# KiCad board untitled.kicad_pcb (continued)
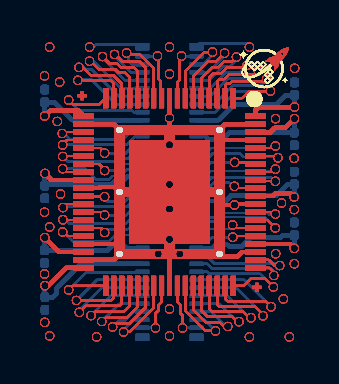
[diagram p0: board, top side]
## Routing (per net, layer and track width the routed paths; a pad name or vN(x,y) marks a point on that pad's centre or on a via; arc(x,y) is an arc through that point) (continued)
/PIN 18: length 138.7
  Top w0.1: v1(3.01,5.34) 2,5.34 ; v1(3.01,5.34) 2,5.34 ; v1(3.01,5.34) 2,5.34 ; v1(3.01,5.34) 2,5.34 ; v1(3.01,5.34) 2,5.34 ; v1(3.01,5.34) 2,5.34 ; v1(3.01,5.34) 2,5.34 ; v1(3.01,5.34) 2,5.34 ; v1(3.01,5.34) 2,5.34 ; v1(3.01,5.34) 2,5.34 ; v1(3.01,5.34) 2,5.34 ; v1(3.01,5.34) 2,5.34 ; v1(3.01,5.34) 2,5.34 ; v1(3.01,5.34) 2,5.34 ; v1(3.01,5.34) 2,5.34 ; v1(3.01,5.34) 2,5.34 ; v1(3.01,5.34) 2,5.34 ; v1(3.01,5.34) 2,5.34 ; v1(3.01,5.34) 2,5.34 ; v1(3.01,5.34) 2,5.34 ; v1(3.01,5.34) 2,5.34 ; v1(3.01,5.34) 2,5.34 ; v1(3.01,5.34) 2,5.34 ; v1(3.01,5.34) 2,5.34 ; v1(3.01,5.34) 2,5.34 ; v1(3.01,5.34) 2,5.34 ; v1(3.01,5.34) 2,5.34 ; v1(3.01,5.34) 2,5.34 ; v1(3.01,5.34) 2,5.34 ; v1(3.01,5.34) 2,5.34 ; v1(3.01,5.34) 2,5.34 ; v1(3.01,5.34) 2,5.34 ; v1(3.01,5.34) 2,5.34 ; v1(3.01,5.34) 2,5.34 ; v1(3.01,5.34) 2,5.34 ; v1(3.01,5.34) 2,5.34 ; v1(3.01,5.34) 2,5.34 ; v1(3.01,5.34) 2,5.34 ; v1(3.01,5.34) 2,5.34 ; v1(3.01,5.34) 2,5.34 ; v1(3.01,5.34) 2,5.34 ; v1(3.01,5.34) 2,5.34 ; 2,5.34 J158.28 ; 2,5.34 J158.28 ; 2,5.34 J158.28 ; 2,5.34 J158.28 ; 2,5.34 J158.28 ; 2,5.34 J158.28 ; 2,5.34 J158.28 ; 2,5.34 J158.28 ; 2,5.34 J158.28 ; 2,5.34 J158.28 ; 2,5.34 J158.28 ; 2,5.34 J158.28 ; 2,5.34 J158.28 ; 2,5.34 J158.28 ; 2,5.34 J158.28 ; 2,5.34 J158.28 ; 2,5.34 J158.28 ; 2,5.34 J158.28 ; 2,5.34 J158.28 ; 2,5.34 J158.28 ; 2,5.34 J158.28 ; 2,5.34 J158.28 ; 2,5.34 J158.28 ; 2,5.34 J158.28 ; 2,5.34 J158.28 ; 2,5.34 J158.28 ; 2,5.34 J158.28 ; 2,5.34 J158.28 ; 2,5.34 J158.28 ; 2,5.34 J158.28 ; 2,5.34 J158.28 ; 2,5.34 J158.28 ; 2,5.34 J158.28 ; 2,5.34 J158.28 ; 2,5.34 J158.28 ; 2,5.34 J158.28 ; 2,5.34 J158.28 ; 2,5.34 J158.28 ; 2,5.34 J158.28 ; 2,5.34 J158.28 ; 2,5.34 J158.28 ; 2,5.34 J158.28
  Bottom w0.1: 4.05,5.12 4.51,5.58 ; 4.05,5.12 3.14,5.12 ; 4.05,5.12 4.51,5.58 ; 4.05,5.12 4.51,5.58 ; 4.05,5.12 4.51,5.58 ; 4.05,5.12 3.14,5.12 ; 4.05,5.12 4.51,5.58 ; 4.05,5.12 4.51,5.58 ; 4.05,5.12 4.51,5.58 ; 4.05,5.12 3.14,5.12 ; 4.05,5.12 3.14,5.12 ; 4.05,5.12 3.14,5.12 ; 4.05,5.12 4.51,5.58 ; 4.05,5.12 4.51,5.58 ; 4.05,5.12 4.51,5.58 ; 4.05,5.12 3.14,5.12 ; 4.05,5.12 3.14,5.12 ; 4.05,5.12 4.51,5.58 ; 4.05,5.12 4.51,5.58 ; 4.05,5.12 3.14,5.12 ; 4.05,5.12 3.14,5.12 ; 4.05,5.12 3.14,5.12 ; 4.05,5.12 3.14,5.12 ; 4.05,5.12 4.51,5.58 ; 4.05,5.12 4.51,5.58 ; 4.05,5.12 3.14,5.12 ; 4.05,5.12 3.14,5.12 ; 4.05,5.12 3.14,5.12 ; 4.05,5.12 3.14,5.12 ; 4.05,5.12 4.51,5.58 ; 4.05,5.12 4.51,5.58 ; 4.05,5.12 3.14,5.12 ; 4.05,5.12 4.51,5.58 ; 4.05,5.12 4.51,5.58 ; 4.05,5.12 4.51,5.58 ; 4.05,5.12 3.14,5.12 ; 4.05,5.12 3.14,5.12 ; 4.05,5.12 3.14,5.12 ; 4.05,5.12 4.51,5.58 ; 4.05,5.12 3.14,5.12 ; 4.05,5.12 3.14,5.12 ; 4.05,5.12 3.14,5.12 ; 4.05,5.12 4.51,5.58 ; 4.05,5.12 4.51,5.58 ; 4.05,5.12 4.51,5.58 ; 4.05,5.12 4.51,5.58 ; 4.05,5.12 4.51,5.58 ; 4.05,5.12 4.51,5.58 ; 4.05,5.12 3.14,5.12 ; 4.05,5.12 4.51,5.58 ; 4.05,5.12 3.14,5.12 ; 4.05,5.12 4.51,5.58 ; 4.05,5.12 4.51,5.58 ; 4.05,5.12 4.51,5.58 ; 4.05,5.12 4.51,5.58 ; 4.05,5.12 4.51,5.58 ; 4.05,5.12 3.14,5.12 ; 4.05,5.12 3.14,5.12 ; 4.05,5.12 3.14,5.12 ; 4.05,5.12 4.51,5.58 ; 4.05,5.12 3.14,5.12 ; 4.05,5.12 4.51,5.58 ; 4.05,5.12 4.51,5.58 ; 4.05,5.12 4.51,5.58 ; 4.05,5.12 3.14,5.12 ; 4.05,5.12 4.51,5.58 ; 4.05,5.12 3.14,5.12 ; 4.05,5.12 3.14,5.12 ; 4.05,5.12 3.14,5.12 ; 4.05,5.12 3.14,5.12 ; 4.05,5.12 4.51,5.58 ; 4.05,5.12 3.14,5.12 ; 4.05,5.12 4.51,5.58 ; 4.05,5.12 3.14,5.12 ; 4.05,5.12 4.51,5.58 ; 4.05,5.12 3.14,5.12 ; 4.05,5.12 3.14,5.12 ; 4.05,5.12 4.51,5.58 ; 4.05,5.12 4.51,5.58 ; 4.05,5.12 3.14,5.12 ; 4.05,5.12 3.14,5.12 ; 4.05,5.12 3.14,5.12 ; 4.05,5.12 3.14,5.12 ; 4.05,5.12 3.14,5.12 ; 4.51,5.58 J173.53 ; 4.51,5.58 J173.53 ; 4.51,5.58 J173.53 ; 4.51,5.58 J173.53 ; 4.51,5.58 J173.53 ; 4.51,5.58 J173.53 ; 4.51,5.58 J173.53 ; 4.51,5.58 J173.53 ; 4.51,5.58 J173.53 ; 4.51,5.58 J173.53 ; 4.51,5.58 J173.53 ; 4.51,5.58 J173.53 ; 4.51,5.58 J173.53 ; 4.51,5.58 J173.53 ; 4.51,5.58 J173.53 ; 4.51,5.58 J173.53 ; 4.51,5.58 J173.53 ; 4.51,5.58 J173.53 ; 4.51,5.58 J173.53 ; 4.51,5.58 J173.53 ; 4.51,5.58 J173.53 ; 4.51,5.58 J173.53 ; 4.51,5.58 J173.53 ; 4.51,5.58 J173.53 ; 4.51,5.58 J173.53 ; 4.51,5.58 J173.53 ; 4.51,5.58 J173.53 ; 4.51,5.58 J173.53 ; 4.51,5.58 J173.53 ; 4.51,5.58 J173.53 ; 4.51,5.58 J173.53 ; 4.51,5.58 J173.53 ; 4.51,5.58 J173.53 ; 4.51,5.58 J173.53 ; 4.51,5.58 J173.53 ; 4.51,5.58 J173.53 ; 4.51,5.58 J173.53 ; 4.51,5.58 J173.53 ; 4.51,5.58 J173.53 ; 4.51,5.58 J173.53 ; 4.51,5.58 J173.53 ; 4.51,5.58 J173.53 ; v1(3.01,5.34) 3.01,5.25 ; v1(3.01,5.34) 3.01,5.25 ; v1(3.01,5.34) 3.01,5.25 ; v1(3.01,5.34) 3.01,5.25 ; v1(3.01,5.34) 3.01,5.25 ; v1(3.01,5.34) 3.01,5.25 ; v1(3.01,5.34) 3.01,5.25 ; v1(3.01,5.34) 3.01,5.25 ; v1(3.01,5.34) 3.01,5.25 ; v1(3.01,5.34) 3.01,5.25 ; v1(3.01,5.34) 3.01,5.25 ; v1(3.01,5.34) 3.01,5.25 ; v1(3.01,5.34) 3.01,5.25 ; v1(3.01,5.34) 3.01,5.25 ; v1(3.01,5.34) 3.01,5.25 ; v1(3.01,5.34) 3.01,5.25 ; v1(3.01,5.34) 3.01,5.25 ; v1(3.01,5.34) 3.01,5.25 ; v1(3.01,5.34) 3.01,5.25 ; v1(3.01,5.34) 3.01,5.25 ; v1(3.01,5.34) 3.01,5.25 ; v1(3.01,5.34) 3.01,5.25 ; v1(3.01,5.34) 3.01,5.25 ; v1(3.01,5.34) 3.01,5.25 ; v1(3.01,5.34) 3.01,5.25 ; v1(3.01,5.34) 3.01,5.25 ; v1(3.01,5.34) 3.01,5.25 ; v1(3.01,5.34) 3.01,5.25 ; v1(3.01,5.34) 3.01,5.25 ; v1(3.01,5.34) 3.01,5.25 ; v1(3.01,5.34) 3.01,5.25 ; v1(3.01,5.34) 3.01,5.25 ; v1(3.01,5.34) 3.01,5.25 ; v1(3.01,5.34) 3.01,5.25 ; v1(3.01,5.34) 3.01,5.25 ; v1(3.01,5.34) 3.01,5.25 ; v1(3.01,5.34) 3.01,5.25 ; v1(3.01,5.34) 3.01,5.25 ; v1(3.01,5.34) 3.01,5.25 ; v1(3.01,5.34) 3.01,5.25 ; v1(3.01,5.34) 3.01,5.25 ; v1(3.01,5.34) 3.01,5.25 ; 3.01,5.25 3.14,5.12 ; 3.01,5.25 3.14,5.12 ; 3.01,5.25 3.14,5.12 ; 3.01,5.25 3.14,5.12 ; 3.01,5.25 3.14,5.12 ; 3.01,5.25 3.14,5.12 ; 3.01,5.25 3.14,5.12 ; 3.01,5.25 3.14,5.12 ; 3.01,5.25 3.14,5.12 ; 3.01,5.25 3.14,5.12 ; 3.01,5.25 3.14,5.12 ; 3.01,5.25 3.14,5.12 ; 3.01,5.25 3.14,5.12 ; 3.01,5.25 3.14,5.12 ; 3.01,5.25 3.14,5.12 ; 3.01,5.25 3.14,5.12 ; 3.01,5.25 3.14,5.12 ; 3.01,5.25 3.14,5.12 ; 3.01,5.25 3.14,5.12 ; 3.01,5.25 3.14,5.12 ; 3.01,5.25 3.14,5.12 ; 3.01,5.25 3.14,5.12 ; 3.01,5.25 3.14,5.12 ; 3.01,5.25 3.14,5.12 ; 3.01,5.25 3.14,5.12 ; 3.01,5.25 3.14,5.12 ; 3.01,5.25 3.14,5.12 ; 3.01,5.25 3.14,5.12 ; 3.01,5.25 3.14,5.12 ; 3.01,5.25 3.14,5.12 ; 3.01,5.25 3.14,5.12 ; 3.01,5.25 3.14,5.12 ; 3.01,5.25 3.14,5.12 ; 3.01,5.25 3.14,5.12 ; 3.01,5.25 3.14,5.12 ; 3.01,5.25 3.14,5.12 ; 3.01,5.25 3.14,5.12 ; 3.01,5.25 3.14,5.12 ; 3.01,5.25 3.14,5.12 ; 3.01,5.25 3.14,5.12 ; 3.01,5.25 3.14,5.12 ; 3.01,5.25 3.14,5.12
/PIN 19: length 220.8
  Top w0.1: 1.1,4.98 J158.29 ; 1.1,4.98 J158.29 ; 1.1,4.98 J158.29 ; 1.1,4.98 J158.29 ; 1.1,4.98 v1(0.92,4.8) ; 1.1,4.98 J158.29 ; 1.1,4.98 J158.29 ; 1.1,4.98 J158.29 ; 1.1,4.98 v1(0.92,4.8) ; 1.1,4.98 J158.29 ; 1.1,4.98 J158.29 ; 1.1,4.98 J158.29 ; 1.1,4.98 v1(0.92,4.8) ; 1.1,4.98 J158.29 ; 1.1,4.98 J158.29 ; 1.1,4.98 v1(0.92,4.8) ; 1.1,4.98 J158.29 ; 1.1,4.98 v1(0.92,4.8) ; 1.1,4.98 J158.29 ; 1.1,4.98 J158.29 ; 1.1,4.98 J158.29 ; 1.1,4.98 J158.29 ; 1.1,4.98 J158.29 ; 1.1,4.98 v1(0.92,4.8) ; 1.1,4.98 v1(0.92,4.8) ; 1.1,4.98 v1(0.92,4.8) ; 1.1,4.98 v1(0.92,4.8) ; 1.1,4.98 v1(0.92,4.8) ; 1.1,4.98 v1(0.92,4.8) ; 1.1,4.98 J158.29 ; 1.1,4.98 J158.29 ; 1.1,4.98 J158.29 ; 1.1,4.98 J158.29 ; 1.1,4.98 v1(0.92,4.8) ; 1.1,4.98 v1(0.92,4.8) ; 1.1,4.98 v1(0.92,4.8) ; 1.1,4.98 J158.29 ; 1.1,4.98 J158.29 ; 1.1,4.98 J158.29 ; 1.1,4.98 J158.29 ; 1.1,4.98 J158.29 ; 1.1,4.98 v1(0.92,4.8) ; 1.1,4.98 J158.29 ; 1.1,4.98 v1(0.92,4.8) ; 1.1,4.98 v1(0.92,4.8) ; 1.1,4.98 v1(0.92,4.8) ; 1.1,4.98 J158.29 ; 1.1,4.98 J158.29 ; 1.1,4.98 v1(0.92,4.8) ; 1.1,4.98 v1(0.92,4.8) ; 1.1,4.98 v1(0.92,4.8) ; 1.1,4.98 J158.29 ; 1.1,4.98 v1(0.92,4.8) ; 1.1,4.98 v1(0.92,4.8) ; 1.1,4.98 v1(0.92,4.8) ; 1.1,4.98 J158.29 ; 1.1,4.98 v1(0.92,4.8) ; 1.1,4.98 J158.29 ; 1.1,4.98 v1(0.92,4.8) ; 1.1,4.98 v1(0.92,4.8) ; 1.1,4.98 v1(0.92,4.8) ; 1.1,4.98 J158.29 ; 1.1,4.98 J158.29 ; 1.1,4.98 J158.29 ; 1.1,4.98 J158.29 ; 1.1,4.98 v1(0.92,4.8) ; 1.1,4.98 v1(0.92,4.8) ; 1.1,4.98 v1(0.92,4.8) ; 1.1,4.98 v1(0.92,4.8) ; 1.1,4.98 v1(0.92,4.8) ; 1.1,4.98 v1(0.92,4.8) ; 1.1,4.98 J158.29 ; 1.1,4.98 v1(0.92,4.8) ; 1.1,4.98 v1(0.92,4.8) ; 1.1,4.98 v1(0.92,4.8) ; 1.1,4.98 J158.29 ; 1.1,4.98 J158.29 ; 1.1,4.98 v1(0.92,4.8) ; 1.1,4.98 J158.29 ; 1.1,4.98 v1(0.92,4.8) ; 1.1,4.98 v1(0.92,4.8) ; 1.1,4.98 v1(0.92,4.8) ; 1.1,4.98 v1(0.92,4.8) ; 1.1,4.98 J158.29
  Bottom w0.1: 1.03,4.86 4.16,4.86 ; 1.03,4.86 4.16,4.86 ; 1.03,4.86 4.16,4.86 ; 1.03,4.86 4.16,4.86 ; 1.03,4.86 0.97,4.8 ; 1.03,4.86 0.97,4.8 ; 1.03,4.86 4.16,4.86 ; 1.03,4.86 4.16,4.86 ; 1.03,4.86 4.16,4.86 ; 1.03,4.86 0.97,4.8 ; 1.03,4.86 0.97,4.8 ; 1.03,4.86 4.16,4.86 ; 1.03,4.86 0.97,4.8 ; 1.03,4.86 0.97,4.8 ; 1.03,4.86 4.16,4.86 ; 1.03,4.86 4.16,4.86 ; 1.03,4.86 0.97,4.8 ; 1.03,4.86 4.16,4.86 ; 1.03,4.86 0.97,4.8 ; 1.03,4.86 0.97,4.8 ; 1.03,4.86 0.97,4.8 ; 1.03,4.86 4.16,4.86 ; 1.03,4.86 0.97,4.8 ; 1.03,4.86 4.16,4.86 ; 1.03,4.86 4.16,4.86 ; 1.03,4.86 0.97,4.8 ; 1.03,4.86 4.16,4.86 ; 1.03,4.86 4.16,4.86 ; 1.03,4.86 4.16,4.86 ; 1.03,4.86 4.16,4.86 ; 1.03,4.86 0.97,4.8 ; 1.03,4.86 0.97,4.8 ; 1.03,4.86 0.97,4.8 ; 1.03,4.86 0.97,4.8 ; 1.03,4.86 0.97,4.8 ; 1.03,4.86 0.97,4.8 ; 1.03,4.86 4.16,4.86 ; 1.03,4.86 0.97,4.8 ; 1.03,4.86 4.16,4.86 ; 1.03,4.86 0.97,4.8 ; 1.03,4.86 0.97,4.8 ; 1.03,4.86 0.97,4.8 ; 1.03,4.86 0.97,4.8 ; 1.03,4.86 4.16,4.86 ; 1.03,4.86 4.16,4.86 ; 1.03,4.86 0.97,4.8 ; 1.03,4.86 4.16,4.86 ; 1.03,4.86 0.97,4.8 ; 1.03,4.86 4.16,4.86 ; 1.03,4.86 0.97,4.8 ; 1.03,4.86 0.97,4.8 ; 1.03,4.86 4.16,4.86 ; 1.03,4.86 4.16,4.86 ; 1.03,4.86 0.97,4.8 ; 1.03,4.86 4.16,4.86 ; 1.03,4.86 0.97,4.8 ; 1.03,4.86 4.16,4.86 ; 1.03,4.86 0.97,4.8 ; 1.03,4.86 0.97,4.8 ; 1.03,4.86 4.16,4.86 ; 1.03,4.86 4.16,4.86 ; 1.03,4.86 0.97,4.8 ; 1.03,4.86 0.97,4.8 ; 1.03,4.86 4.16,4.86 ; 1.03,4.86 0.97,4.8 ; 1.03,4.86 4.16,4.86 ; 1.03,4.86 4.16,4.86 ; 1.03,4.86 4.16,4.86 ; 1.03,4.86 0.97,4.8 ; 1.03,4.86 4.16,4.86 ; 1.03,4.86 4.16,4.86 ; 1.03,4.86 4.16,4.86 ; 1.03,4.86 4.16,4.86 ; 1.03,4.86 0.97,4.8 ; 1.03,4.86 4.16,4.86 ; 1.03,4.86 4.16,4.86 ; 1.03,4.86 0.97,4.8 ; 1.03,4.86 0.97,4.8 ; 1.03,4.86 0.97,4.8 ; 1.03,4.86 0.97,4.8 ; 1.03,4.86 0.97,4.8 ; 1.03,4.86 4.16,4.86 ; 1.03,4.86 4.16,4.86 ; 1.03,4.86 0.97,4.8 ; 4.16,4.86 4.48,5.18 ; 4.16,4.86 4.48,5.18 ; 4.16,4.86 4.48,5.18 ; 4.16,4.86 4.48,5.18 ; 4.16,4.86 4.48,5.18 ; 4.16,4.86 4.48,5.18 ; 4.16,4.86 4.48,5.18 ; 4.16,4.86 4.48,5.18 ; 4.16,4.86 4.48,5.18 ; 4.16,4.86 4.48,5.18 ; 4.16,4.86 4.48,5.18 ; 4.16,4.86 4.48,5.18 ; 4.16,4.86 4.48,5.18 ; 4.16,4.86 4.48,5.18 ; 4.16,4.86 4.48,5.18 ; 4.16,4.86 4.48,5.18 ; 4.16,4.86 4.48,5.18 ; 4.16,4.86 4.48,5.18 ; 4.16,4.86 4.48,5.18 ; 4.16,4.86 4.48,5.18 ; 4.16,4.86 4.48,5.18 ; 4.16,4.86 4.48,5.18 ; 4.16,4.86 4.48,5.18 ; 4.16,4.86 4.48,5.18 ; 4.16,4.86 4.48,5.18 ; 4.16,4.86 4.48,5.18 ; 4.16,4.86 4.48,5.18 ; 4.16,4.86 4.48,5.18 ; 4.16,4.86 4.48,5.18 ; 4.16,4.86 4.48,5.18 ; 4.16,4.86 4.48,5.18 ; 4.16,4.86 4.48,5.18 ; 4.16,4.86 4.48,5.18 ; 4.16,4.86 4.48,5.18 ; 4.16,4.86 4.48,5.18 ; 4.16,4.86 4.48,5.18 ; 4.16,4.86 4.48,5.18 ; 4.16,4.86 4.48,5.18 ; 4.16,4.86 4.48,5.18 ; 4.16,4.86 4.48,5.18 ; 4.16,4.86 4.48,5.18 ; 4.16,4.86 4.48,5.18 ; v1(0.92,4.8) 0.97,4.8 ; v1(0.92,4.8) 0.97,4.8 ; v1(0.92,4.8) 0.97,4.8 ; v1(0.92,4.8) 0.97,4.8 ; v1(0.92,4.8) 0.97,4.8 ; v1(0.92,4.8) 0.97,4.8 ; v1(0.92,4.8) 0.97,4.8 ; v1(0.92,4.8) 0.97,4.8 ; v1(0.92,4.8) 0.97,4.8 ; v1(0.92,4.8) 0.97,4.8 ; v1(0.92,4.8) 0.97,4.8 ; v1(0.92,4.8) 0.97,4.8 ; v1(0.92,4.8) 0.97,4.8 ; v1(0.92,4.8) 0.97,4.8 ; v1(0.92,4.8) 0.97,4.8 ; v1(0.92,4.8) 0.97,4.8 ; v1(0.92,4.8) 0.97,4.8 ; v1(0.92,4.8) 0.97,4.8 ; v1(0.92,4.8) 0.97,4.8 ; v1(0.92,4.8) 0.97,4.8 ; v1(0.92,4.8) 0.97,4.8 ; v1(0.92,4.8) 0.97,4.8 ; v1(0.92,4.8) 0.97,4.8 ; v1(0.92,4.8) 0.97,4.8 ; v1(0.92,4.8) 0.97,4.8 ; v1(0.92,4.8) 0.97,4.8 ; v1(0.92,4.8) 0.97,4.8 ; v1(0.92,4.8) 0.97,4.8 ; v1(0.92,4.8) 0.97,4.8 ; v1(0.92,4.8) 0.97,4.8 ; v1(0.92,4.8) 0.97,4.8 ; v1(0.92,4.8) 0.97,4.8 ; v1(0.92,4.8) 0.97,4.8 ; v1(0.92,4.8) 0.97,4.8 ; v1(0.92,4.8) 0.97,4.8 ; v1(0.92,4.8) 0.97,4.8 ; v1(0.92,4.8) 0.97,4.8 ; v1(0.92,4.8) 0.97,4.8 ; v1(0.92,4.8) 0.97,4.8 ; v1(0.92,4.8) 0.97,4.8 ; v1(0.92,4.8) 0.97,4.8 ; v1(0.92,4.8) 0.97,4.8 ; 4.48,5.18 J173.52 ; 4.48,5.18 J173.52 ; 4.48,5.18 J173.52 ; 4.48,5.18 J173.52 ; 4.48,5.18 J173.52 ; 4.48,5.18 J173.52 ; 4.48,5.18 J173.52 ; 4.48,5.18 J173.52 ; 4.48,5.18 J173.52 ; 4.48,5.18 J173.52 ; 4.48,5.18 J173.52 ; 4.48,5.18 J173.52 ; 4.48,5.18 J173.52 ; 4.48,5.18 J173.52 ; 4.48,5.18 J173.52 ; 4.48,5.18 J173.52 ; 4.48,5.18 J173.52 ; 4.48,5.18 J173.52 ; 4.48,5.18 J173.52 ; 4.48,5.18 J173.52 ; 4.48,5.18 J173.52 ; 4.48,5.18 J173.52 ; 4.48,5.18 J173.52 ; 4.48,5.18 J173.52 ; 4.48,5.18 J173.52 ; 4.48,5.18 J173.52 ; 4.48,5.18 J173.52 ; 4.48,5.18 J173.52 ; 4.48,5.18 J173.52 ; 4.48,5.18 J173.52 ; 4.48,5.18 J173.52 ; 4.48,5.18 J173.52 ; 4.48,5.18 J173.52 ; 4.48,5.18 J173.52 ; 4.48,5.18 J173.52 ; 4.48,5.18 J173.52 ; 4.48,5.18 J173.52 ; 4.48,5.18 J173.52 ; 4.48,5.18 J173.52 ; 4.48,5.18 J173.52 ; 4.48,5.18 J173.52 ; 4.48,5.18 J173.52
/PIN 20: length 132.6
  Top w0.1: 2.85,4.58 J158.30 ; 2.85,4.58 J158.30 ; 2.85,4.58 J158.30 ; 2.85,4.58 v1(3.01,4.42) ; 2.85,4.58 J158.30 ; 2.85,4.58 v1(3.01,4.42) ; 2.85,4.58 J158.30 ; 2.85,4.58 J158.30 ; 2.85,4.58 v1(3.01,4.42) ; 2.85,4.58 v1(3.01,4.42) ; 2.85,4.58 v1(3.01,4.42) ; 2.85,4.58 J158.30 ; 2.85,4.58 J158.30 ; 2.85,4.58 v1(3.01,4.42) ; 2.85,4.58 J158.30 ; 2.85,4.58 J158.30 ; 2.85,4.58 J158.30 ; 2.85,4.58 v1(3.01,4.42) ; 2.85,4.58 J158.30 ; 2.85,4.58 v1(3.01,4.42) ; 2.85,4.58 v1(3.01,4.42) ; 2.85,4.58 v1(3.01,4.42) ; 2.85,4.58 v1(3.01,4.42) ; 2.85,4.58 J158.30 ; 2.85,4.58 v1(3.01,4.42) ; 2.85,4.58 J158.30 ; 2.85,4.58 v1(3.01,4.42) ; 2.85,4.58 J158.30 ; 2.85,4.58 J158.30 ; 2.85,4.58 J158.30 ; 2.85,4.58 J158.30 ; 2.85,4.58 v1(3.01,4.42) ; 2.85,4.58 v1(3.01,4.42) ; 2.85,4.58 J158.30 ; 2.85,4.58 v1(3.01,4.42) ; 2.85,4.58 v1(3.01,4.42) ; 2.85,4.58 J158.30 ; 2.85,4.58 v1(3.01,4.42) ; 2.85,4.58 J158.30 ; 2.85,4.58 J158.30 ; 2.85,4.58 J158.30 ; 2.85,4.58 J158.30 ; 2.85,4.58 J158.30 ; 2.85,4.58 v1(3.01,4.42) ; 2.85,4.58 J158.30 ; 2.85,4.58 v1(3.01,4.42) ; 2.85,4.58 v1(3.01,4.42) ; 2.85,4.58 v1(3.01,4.42) ; 2.85,4.58 J158.30 ; 2.85,4.58 J158.30 ; 2.85,4.58 v1(3.01,4.42) ; 2.85,4.58 v1(3.01,4.42) ; 2.85,4.58 v1(3.01,4.42) ; 2.85,4.58 v1(3.01,4.42) ; 2.85,4.58 J158.30 ; 2.85,4.58 J158.30 ; 2.85,4.58 v1(3.01,4.42) ; 2.85,4.58 J158.30 ; 2.85,4.58 J158.30 ; 2.85,4.58 J158.30 ; 2.85,4.58 v1(3.01,4.42) ; 2.85,4.58 v1(3.01,4.42) ; 2.85,4.58 J158.30 ; 2.85,4.58 J158.30 ; 2.85,4.58 v1(3.01,4.42) ; 2.85,4.58 v1(3.01,4.42) ; 2.85,4.58 v1(3.01,4.42) ; 2.85,4.58 J158.30 ; 2.85,4.58 J158.30 ; 2.85,4.58 v1(3.01,4.42) ; 2.85,4.58 J158.30 ; 2.85,4.58 v1(3.01,4.42) ; 2.85,4.58 J158.30 ; 2.85,4.58 J158.30 ; 2.85,4.58 v1(3.01,4.42) ; 2.85,4.58 v1(3.01,4.42) ; 2.85,4.58 J158.30 ; 2.85,4.58 v1(3.01,4.42) ; 2.85,4.58 v1(3.01,4.42) ; 2.85,4.58 J158.30 ; 2.85,4.58 v1(3.01,4.42) ; 2.85,4.58 v1(3.01,4.42) ; 2.85,4.58 v1(3.01,4.42) ; 2.85,4.58 v1(3.01,4.42)
  Bottom w0.1: 4.45,4.78 4.09,4.42 ; 4.45,4.78 J173.51 ; 4.45,4.78 4.09,4.42 ; 4.45,4.78 4.09,4.42 ; 4.45,4.78 J173.51 ; 4.45,4.78 J173.51 ; 4.45,4.78 J173.51 ; 4.45,4.78 4.09,4.42 ; 4.45,4.78 J173.51 ; 4.45,4.78 J173.51 ; 4.45,4.78 J173.51 ; 4.45,4.78 4.09,4.42 ; 4.45,4.78 4.09,4.42 ; 4.45,4.78 4.09,4.42 ; 4.45,4.78 J173.51 ; 4.45,4.78 4.09,4.42 ; 4.45,4.78 J173.51 ; 4.45,4.78 J173.51 ; 4.45,4.78 4.09,4.42 ; 4.45,4.78 J173.51 ; 4.45,4.78 4.09,4.42 ; 4.45,4.78 4.09,4.42 ; 4.45,4.78 J173.51 ; 4.45,4.78 4.09,4.42 ; 4.45,4.78 J173.51 ; 4.45,4.78 4.09,4.42 ; 4.45,4.78 J173.51 ; 4.45,4.78 4.09,4.42 ; 4.45,4.78 4.09,4.42 ; 4.45,4.78 4.09,4.42 ; 4.45,4.78 4.09,4.42 ; 4.45,4.78 4.09,4.42 ; 4.45,4.78 4.09,4.42 ; 4.45,4.78 4.09,4.42 ; 4.45,4.78 4.09,4.42 ; 4.45,4.78 J173.51 ; 4.45,4.78 4.09,4.42 ; 4.45,4.78 4.09,4.42 ; 4.45,4.78 J173.51 ; 4.45,4.78 J173.51 ; 4.45,4.78 J173.51 ; 4.45,4.78 J173.51 ; 4.45,4.78 J173.51 ; 4.45,4.78 4.09,4.42 ; 4.45,4.78 J173.51 ; 4.45,4.78 J173.51 ; 4.45,4.78 J173.51 ; 4.45,4.78 J173.51 ; 4.45,4.78 4.09,4.42 ; 4.45,4.78 J173.51 ; 4.45,4.78 4.09,4.42 ; 4.45,4.78 4.09,4.42 ; 4.45,4.78 4.09,4.42 ; 4.45,4.78 J173.51 ; 4.45,4.78 J173.51 ; 4.45,4.78 J173.51 ; 4.45,4.78 4.09,4.42 ; 4.45,4.78 J173.51 ; 4.45,4.78 4.09,4.42 ; 4.45,4.78 J173.51 ; 4.45,4.78 J173.51 ; 4.45,4.78 4.09,4.42 ; 4.45,4.78 4.09,4.42 ; 4.45,4.78 J173.51 ; 4.45,4.78 J173.51 ; 4.45,4.78 J173.51 ; 4.45,4.78 J173.51 ; 4.45,4.78 4.09,4.42 ; 4.45,4.78 J173.51 ; 4.45,4.78 J173.51 ; 4.45,4.78 J173.51 ; 4.45,4.78 4.09,4.42 ; 4.45,4.78 J173.51 ; 4.45,4.78 J173.51 ; 4.45,4.78 4.09,4.42 ; 4.45,4.78 4.09,4.42 ; 4.45,4.78 4.09,4.42 ; 4.45,4.78 J173.51 ; 4.45,4.78 4.09,4.42 ; 4.45,4.78 4.09,4.42 ; 4.45,4.78 4.09,4.42 ; 4.45,4.78 J173.51 ; 4.45,4.78 4.09,4.42 ; 4.45,4.78 4.09,4.42 ; 4.09,4.42 v1(3.01,4.42) ; 4.09,4.42 v1(3.01,4.42) ; 4.09,4.42 v1(3.01,4.42) ; 4.09,4.42 v1(3.01,4.42) ; 4.09,4.42 v1(3.01,4.42) ; 4.09,4.42 v1(3.01,4.42) ; 4.09,4.42 v1(3.01,4.42) ; 4.09,4.42 v1(3.01,4.42) ; 4.09,4.42 v1(3.01,4.42) ; 4.09,4.42 v1(3.01,4.42) ; 4.09,4.42 v1(3.01,4.42) ; 4.09,4.42 v1(3.01,4.42) ; 4.09,4.42 v1(3.01,4.42) ; 4.09,4.42 v1(3.01,4.42) ; 4.09,4.42 v1(3.01,4.42) ; 4.09,4.42 v1(3.01,4.42) ; 4.09,4.42 v1(3.01,4.42) ; 4.09,4.42 v1(3.01,4.42) ; 4.09,4.42 v1(3.01,4.42) ; 4.09,4.42 v1(3.01,4.42) ; 4.09,4.42 v1(3.01,4.42) ; 4.09,4.42 v1(3.01,4.42) ; 4.09,4.42 v1(3.01,4.42) ; 4.09,4.42 v1(3.01,4.42) ; 4.09,4.42 v1(3.01,4.42) ; 4.09,4.42 v1(3.01,4.42) ; 4.09,4.42 v1(3.01,4.42) ; 4.09,4.42 v1(3.01,4.42) ; 4.09,4.42 v1(3.01,4.42) ; 4.09,4.42 v1(3.01,4.42) ; 4.09,4.42 v1(3.01,4.42) ; 4.09,4.42 v1(3.01,4.42) ; 4.09,4.42 v1(3.01,4.42) ; 4.09,4.42 v1(3.01,4.42) ; 4.09,4.42 v1(3.01,4.42) ; 4.09,4.42 v1(3.01,4.42) ; 4.09,4.42 v1(3.01,4.42) ; 4.09,4.42 v1(3.01,4.42) ; 4.09,4.42 v1(3.01,4.42) ; 4.09,4.42 v1(3.01,4.42) ; 4.09,4.42 v1(3.01,4.42) ; 4.09,4.42 v1(3.01,4.42)
/PIN 21: length 221.5
  Top w0.1: 1.06,4.18 J158.31 ; 1.06,4.18 1.05,4.19 ; 1.06,4.18 J158.31 ; 1.06,4.18 J158.31 ; 1.06,4.18 1.05,4.19 ; 1.06,4.18 J158.31 ; 1.06,4.18 J158.31 ; 1.06,4.18 J158.31 ; 1.06,4.18 1.05,4.19 ; 1.06,4.18 1.05,4.19 ; 1.06,4.18 J158.31 ; 1.06,4.18 J158.31 ; 1.06,4.18 1.05,4.19 ; 1.06,4.18 1.05,4.19 ; 1.06,4.18 J158.31 ; 1.06,4.18 1.05,4.19 ; 1.06,4.18 1.05,4.19 ; 1.06,4.18 J158.31 ; 1.06,4.18 1.05,4.19 ; 1.06,4.18 1.05,4.19 ; 1.06,4.18 1.05,4.19 ; 1.06,4.18 1.05,4.19 ; 1.06,4.18 J158.31 ; 1.06,4.18 1.05,4.19 ; 1.06,4.18 1.05,4.19 ; 1.06,4.18 J158.31 ; 1.06,4.18 J158.31 ; 1.06,4.18 1.05,4.19 ; 1.06,4.18 J158.31 ; 1.06,4.18 1.05,4.19 ; 1.06,4.18 1.05,4.19 ; 1.06,4.18 1.05,4.19 ; 1.06,4.18 1.05,4.19 ; 1.06,4.18 J158.31 ; 1.06,4.18 J158.31 ; 1.06,4.18 1.05,4.19 ; 1.06,4.18 1.05,4.19 ; 1.06,4.18 1.05,4.19 ; 1.06,4.18 1.05,4.19 ; 1.06,4.18 J158.31 ; 1.06,4.18 1.05,4.19 ; 1.06,4.18 J158.31 ; 1.06,4.18 J158.31 ; 1.06,4.18 1.05,4.19 ; 1.06,4.18 1.05,4.19 ; 1.06,4.18 1.05,4.19 ; 1.06,4.18 1.05,4.19 ; 1.06,4.18 1.05,4.19 ; 1.06,4.18 J158.31 ; 1.06,4.18 1.05,4.19 ; 1.06,4.18 1.05,4.19 ; 1.06,4.18 J158.31 ; 1.06,4.18 J158.31 ; 1.06,4.18 J158.31 ; 1.06,4.18 J158.31 ; 1.06,4.18 J158.31 ; 1.06,4.18 J158.31 ; 1.06,4.18 J158.31 ; 1.06,4.18 1.05,4.19 ; 1.06,4.18 1.05,4.19 ; 1.06,4.18 J158.31 ; 1.06,4.18 J158.31 ; 1.06,4.18 1.05,4.19 ; 1.06,4.18 1.05,4.19 ; 1.06,4.18 J158.31 ; 1.06,4.18 1.05,4.19 ; 1.06,4.18 J158.31 ; 1.06,4.18 J158.31 ; 1.06,4.18 J158.31 ; 1.06,4.18 J158.31 ; 1.06,4.18 1.05,4.19 ; 1.06,4.18 1.05,4.19 ; 1.06,4.18 J158.31 ; 1.06,4.18 J158.31 ; 1.06,4.18 1.05,4.19 ; 1.06,4.18 J158.31 ; 1.06,4.18 1.05,4.19 ; 1.06,4.18 1.05,4.19 ; 1.06,4.18 J158.31 ; 1.06,4.18 J158.31 ; 1.06,4.18 J158.31 ; 1.06,4.18 J158.31 ; 1.06,4.18 J158.31 ; 1.06,4.18 1.05,4.19 ; 1.05,4.19 v1(0.92,4.19) ; 1.05,4.19 v1(0.92,4.19) ; 1.05,4.19 v1(0.92,4.19) ; 1.05,4.19 v1(0.92,4.19) ; 1.05,4.19 v1(0.92,4.19) ; 1.05,4.19 v1(0.92,4.19) ; 1.05,4.19 v1(0.92,4.19) ; 1.05,4.19 v1(0.92,4.19) ; 1.05,4.19 v1(0.92,4.19) ; 1.05,4.19 v1(0.92,4.19) ; 1.05,4.19 v1(0.92,4.19) ; 1.05,4.19 v1(0.92,4.19) ; 1.05,4.19 v1(0.92,4.19) ; 1.05,4.19 v1(0.92,4.19) ; 1.05,4.19 v1(0.92,4.19) ; 1.05,4.19 v1(0.92,4.19) ; 1.05,4.19 v1(0.92,4.19) ; 1.05,4.19 v1(0.92,4.19) ; 1.05,4.19 v1(0.92,4.19) ; 1.05,4.19 v1(0.92,4.19) ; 1.05,4.19 v1(0.92,4.19) ; 1.05,4.19 v1(0.92,4.19) ; 1.05,4.19 v1(0.92,4.19) ; 1.05,4.19 v1(0.92,4.19) ; 1.05,4.19 v1(0.92,4.19) ; 1.05,4.19 v1(0.92,4.19) ; 1.05,4.19 v1(0.92,4.19) ; 1.05,4.19 v1(0.92,4.19) ; 1.05,4.19 v1(0.92,4.19) ; 1.05,4.19 v1(0.92,4.19) ; 1.05,4.19 v1(0.92,4.19) ; 1.05,4.19 v1(0.92,4.19) ; 1.05,4.19 v1(0.92,4.19) ; 1.05,4.19 v1(0.92,4.19) ; 1.05,4.19 v1(0.92,4.19) ; 1.05,4.19 v1(0.92,4.19) ; 1.05,4.19 v1(0.92,4.19) ; 1.05,4.19 v1(0.92,4.19) ; 1.05,4.19 v1(0.92,4.19) ; 1.05,4.19 v1(0.92,4.19) ; 1.05,4.19 v1(0.92,4.19) ; 1.05,4.19 v1(0.92,4.19)
  Bottom w0.1: v1(0.92,4.19) 1.05,4.19 ; v1(0.92,4.19) 1.05,4.19 ; v1(0.92,4.19) 1.05,4.19 ; v1(0.92,4.19) 1.05,4.19 ; v1(0.92,4.19) 1.05,4.19 ; v1(0.92,4.19) 1.05,4.19 ; v1(0.92,4.19) 1.05,4.19 ; v1(0.92,4.19) 1.05,4.19 ; v1(0.92,4.19) 1.05,4.19 ; v1(0.92,4.19) 1.05,4.19 ; v1(0.92,4.19) 1.05,4.19 ; v1(0.92,4.19) 1.05,4.19 ; v1(0.92,4.19) 1.05,4.19 ; v1(0.92,4.19) 1.05,4.19 ; v1(0.92,4.19) 1.05,4.19 ; v1(0.92,4.19) 1.05,4.19 ; v1(0.92,4.19) 1.05,4.19 ; v1(0.92,4.19) 1.05,4.19 ; v1(0.92,4.19) 1.05,4.19 ; v1(0.92,4.19) 1.05,4.19 ; v1(0.92,4.19) 1.05,4.19 ; v1(0.92,4.19) 1.05,4.19 ; v1(0.92,4.19) 1.05,4.19 ; v1(0.92,4.19) 1.05,4.19 ; v1(0.92,4.19) 1.05,4.19 ; v1(0.92,4.19) 1.05,4.19 ; v1(0.92,4.19) 1.05,4.19 ; v1(0.92,4.19) 1.05,4.19 ; v1(0.92,4.19) 1.05,4.19 ; v1(0.92,4.19) 1.05,4.19 ; v1(0.92,4.19) 1.05,4.19 ; v1(0.92,4.19) 1.05,4.19 ; v1(0.92,4.19) 1.05,4.19 ; v1(0.92,4.19) 1.05,4.19 ; v1(0.92,4.19) 1.05,4.19 ; v1(0.92,4.19) 1.05,4.19 ; v1(0.92,4.19) 1.05,4.19 ; v1(0.92,4.19) 1.05,4.19 ; v1(0.92,4.19) 1.05,4.19 ; v1(0.92,4.19) 1.05,4.19 ; v1(0.92,4.19) 1.05,4.19 ; v1(0.92,4.19) 1.05,4.19 ; 1.05,4.19 1.25,3.99 ; 1.05,4.19 1.25,3.99 ; 1.05,4.19 1.25,3.99 ; 1.05,4.19 1.25,3.99 ; 1.05,4.19 1.25,3.99 ; 1.05,4.19 1.25,3.99 ; 1.05,4.19 1.25,3.99 ; 1.05,4.19 1.25,3.99 ; 1.05,4.19 1.25,3.99 ; 1.05,4.19 1.25,3.99 ; 1.05,4.19 1.25,3.99 ; 1.05,4.19 1.25,3.99 ; 1.05,4.19 1.25,3.99 ; 1.05,4.19 1.25,3.99 ; 1.05,4.19 1.25,3.99 ; 1.05,4.19 1.25,3.99 ; 1.05,4.19 1.25,3.99 ; 1.05,4.19 1.25,3.99 ; 1.05,4.19 1.25,3.99 ; 1.05,4.19 1.25,3.99 ; 1.05,4.19 1.25,3.99 ; 1.05,4.19 1.25,3.99 ; 1.05,4.19 1.25,3.99 ; 1.05,4.19 1.25,3.99 ; 1.05,4.19 1.25,3.99 ; 1.05,4.19 1.25,3.99 ; 1.05,4.19 1.25,3.99 ; 1.05,4.19 1.25,3.99 ; 1.05,4.19 1.25,3.99 ; 1.05,4.19 1.25,3.99 ; 1.05,4.19 1.25,3.99 ; 1.05,4.19 1.25,3.99 ; 1.05,4.19 1.25,3.99 ; 1.05,4.19 1.25,3.99 ; 1.05,4.19 1.25,3.99 ; 1.05,4.19 1.25,3.99 ; 1.05,4.19 1.25,3.99 ; 1.05,4.19 1.25,3.99 ; 1.05,4.19 1.25,3.99 ; 1.05,4.19 1.25,3.99 ; 1.05,4.19 1.25,3.99 ; 1.05,4.19 1.25,3.99 ; 4.45,4.38 J173.50 ; 4.45,4.38 J173.50 ; 4.45,4.38 4.06,3.99 ; 4.45,4.38 4.06,3.99 ; 4.45,4.38 J173.50 ; 4.45,4.38 4.06,3.99 ; 4.45,4.38 4.06,3.99 ; 4.45,4.38 J173.50 ; 4.45,4.38 4.06,3.99 ; 4.45,4.38 J173.50 ; 4.45,4.38 4.06,3.99 ; 4.45,4.38 J173.50 ; 4.45,4.38 4.06,3.99 ; 4.45,4.38 J173.50 ; 4.45,4.38 4.06,3.99 ; 4.45,4.38 4.06,3.99 ; 4.45,4.38 4.06,3.99 ; 4.45,4.38 J173.50 ; 4.45,4.38 J173.50 ; 4.45,4.38 4.06,3.99 ; 4.45,4.38 J173.50 ; 4.45,4.38 4.06,3.99 ; 4.45,4.38 4.06,3.99 ; 4.45,4.38 J173.50 ; 4.45,4.38 J173.50 ; 4.45,4.38 4.06,3.99 ; 4.45,4.38 4.06,3.99 ; 4.45,4.38 4.06,3.99 ; 4.45,4.38 J173.50 ; 4.45,4.38 J173.50 ; 4.45,4.38 4.06,3.99 ; 4.45,4.38 J173.50 ; 4.45,4.38 4.06,3.99 ; 4.45,4.38 4.06,3.99 ; 4.45,4.38 4.06,3.99 ; 4.45,4.38 J173.50 ; 4.45,4.38 4.06,3.99 ; 4.45,4.38 J173.50 ; 4.45,4.38 J173.50 ; 4.45,4.38 4.06,3.99 ; 4.45,4.38 J173.50 ; 4.45,4.38 4.06,3.99 ; 4.45,4.38 J173.50 ; 4.45,4.38 J173.50 ; 4.45,4.38 J173.50 ; 4.45,4.38 4.06,3.99 ; 4.45,4.38 J173.50 ; 4.45,4.38 J173.50 ; 4.45,4.38 J173.50 ; 4.45,4.38 J173.50 ; 4.45,4.38 J173.50 ; 4.45,4.38 J173.50 ; 4.45,4.38 4.06,3.99 ; 4.45,4.38 J173.50 ; 4.45,4.38 4.06,3.99 ; 4.45,4.38 J173.50 ; 4.45,4.38 J173.50 ; 4.45,4.38 4.06,3.99 ; 4.45,4.38 4.06,3.99 ; 4.45,4.38 J173.50 ; 4.45,4.38 4.06,3.99 ; 4.45,4.38 4.06,3.99 ; 4.45,4.38 4.06,3.99 ; 4.45,4.38 4.06,3.99 ; 4.45,4.38 4.06,3.99 ; 4.45,4.38 4.06,3.99 ; 4.45,4.38 J173.50 ; 4.45,4.38 4.06,3.99 ; 4.45,4.38 4.06,3.99 ; 4.45,4.38 4.06,3.99 ; 4.45,4.38 J173.50 ; 4.45,4.38 4.06,3.99 ; 4.45,4.38 J173.50 ; 4.45,4.38 4.06,3.99 ; 4.45,4.38 J173.50 ; 4.45,4.38 J173.50 ; 4.45,4.38 J173.50 ; 4.45,4.38 J173.50 ; 4.45,4.38 4.06,3.99 ; 4.45,4.38 4.06,3.99 ; 4.45,4.38 J173.50 ; 4.45,4.38 J173.50 ; 4.45,4.38 J173.50 ; 4.45,4.38 4.06,3.99 ; 1.25,3.99 4.06,3.99 ; 1.25,3.99 4.06,3.99 ; 1.25,3.99 4.06,3.99 ; 1.25,3.99 4.06,3.99 ; 1.25,3.99 4.06,3.99 ; 1.25,3.99 4.06,3.99 ; 1.25,3.99 4.06,3.99 ; 1.25,3.99 4.06,3.99 ; 1.25,3.99 4.06,3.99 ; 1.25,3.99 4.06,3.99 ; 1.25,3.99 4.06,3.99 ; 1.25,3.99 4.06,3.99 ; 1.25,3.99 4.06,3.99 ; 1.25,3.99 4.06,3.99 ; 1.25,3.99 4.06,3.99 ; 1.25,3.99 4.06,3.99 ; 1.25,3.99 4.06,3.99 ; 1.25,3.99 4.06,3.99 ; 1.25,3.99 4.06,3.99 ; 1.25,3.99 4.06,3.99 ; 1.25,3.99 4.06,3.99 ; 1.25,3.99 4.06,3.99 ; 1.25,3.99 4.06,3.99 ; 1.25,3.99 4.06,3.99 ; 1.25,3.99 4.06,3.99 ; 1.25,3.99 4.06,3.99 ; 1.25,3.99 4.06,3.99 ; 1.25,3.99 4.06,3.99 ; 1.25,3.99 4.06,3.99 ; 1.25,3.99 4.06,3.99 ; 1.25,3.99 4.06,3.99 ; 1.25,3.99 4.06,3.99 ; 1.25,3.99 4.06,3.99 ; 1.25,3.99 4.06,3.99 ; 1.25,3.99 4.06,3.99 ; 1.25,3.99 4.06,3.99 ; 1.25,3.99 4.06,3.99 ; 1.25,3.99 4.06,3.99 ; 1.25,3.99 4.06,3.99 ; 1.25,3.99 4.06,3.99 ; 1.25,3.99 4.06,3.99 ; 1.25,3.99 4.06,3.99
